# Altium PCB PCB.PcbDoc (part 1 of 3)
Units mil, origin at the board's own origin, x right, y up, seen from the top; angles counter-clockwise.
Board outline 13351.32 x 5672.75 mil, 2 copper layers (Top Layer, Bottom Layer); 207 components, 228 nets, 1294 pads, 403 vias.
Unrouted connection lines stored in the file: 75.
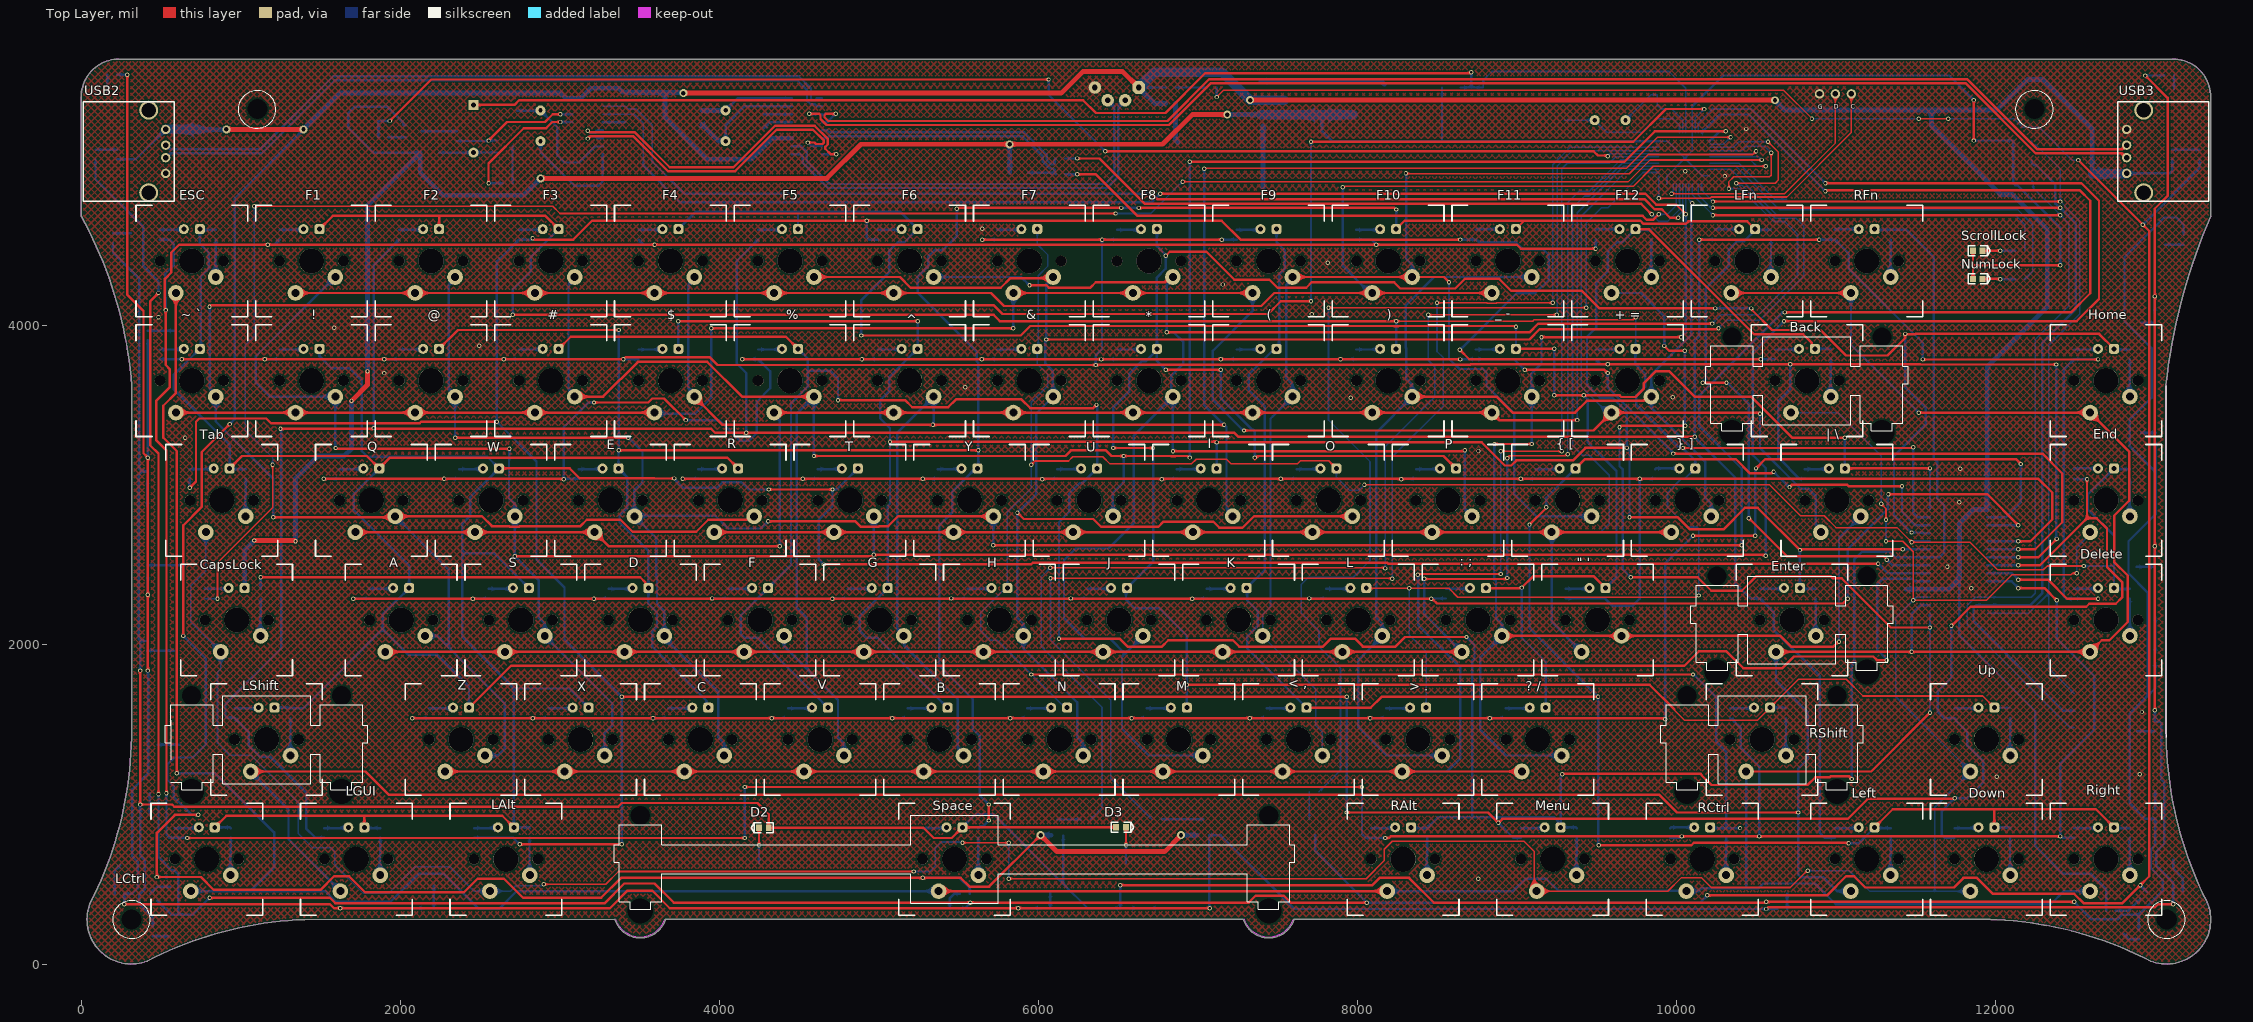
[diagram p0: Top Layer view]
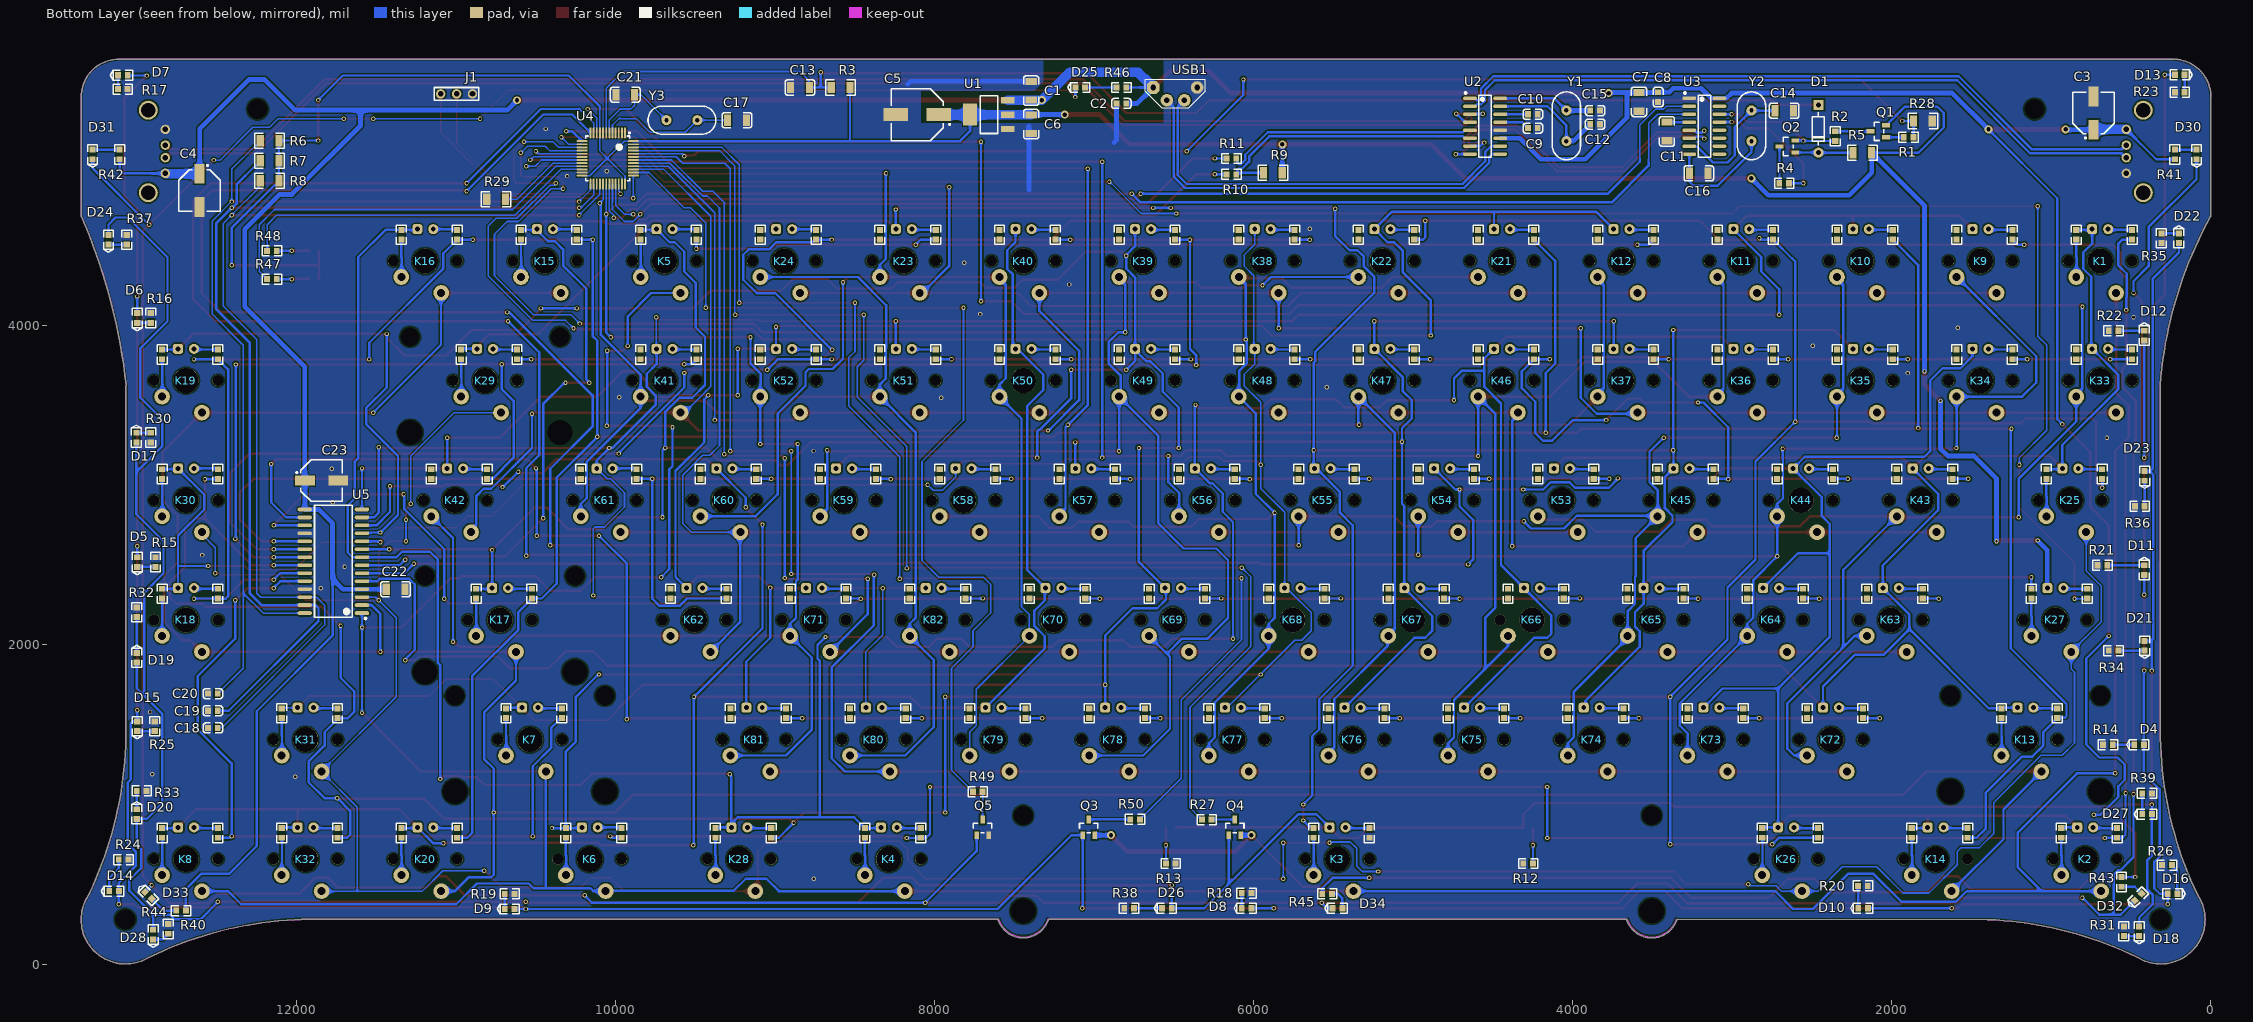
[diagram p1: Bottom Layer view, seen from below]

## Layer stack, top to bottom
Top Solder: solder mask 0.4, Solder Resist, Dk 3.5
Top Layer: signal copper 1.4
Dielectric 1: dielectric 12.6, FR-4, Dk 4.8
Bottom Layer: signal copper 1.4
Bottom Solder: solder mask 0.4, Solder Resist, Dk 3.5

## Board outline
415.74,18.7 ccw(c415.65,18.95) 415.76,18.71 ccw(c415.65,18.95) 415.77,18.72 cw(c1491.98,-2061.36) 1400.58,278.85 3346.4,279.33 ccw(c3351.36,280.04) 3346.6,278.49 ccw(c3505,330) 3662.92,277.01 ccw(c3658.16,278.61) 3663.18,278.61 ccw(c3658.16,278.61) 3663.11,279.41 7286.36,280.29 ccw(c7291.36,280.04) 7286.6,278.49 ccw(c7445,330) 7602.92,277.01 ccw(c7598.16,278.61) 7603.18,278.61 ccw(c7598.16,278.61) 7602.86,280.37 11968.74,281.44 12008.1,278.82 ccw(c12008.12,279.09) 12008.11,278.82 12008.1,278.82 12008.11,278.82 ccw(c12008.12,279.09) 12008.11,278.82 cw(c11888.37,-2081.06) 12972.1,18.68 ccw(c12972.23,18.91) 12972.14,18.66 cw(c13072.47,278.82) 12972.13,18.67 12972.14,18.66 ccw(c13072.47,278.82) 13351.31,278.82 ccw(c13072.47,278.82) 13304.58,433.34 cw(c15447.78,1460.75) 13071.38,1420.53 ccw(c13071.12,1420.53) 13071.28,1420.73 ccw(c13068.95,1422.69) 13072,1422.69 13072,3625.25 ccw(c13068.95,3625.25) 13069.54,3628.24 cw(c16661.68,3242) 13350.88,4688.13 ccw(c13350.64,4688.24) 13350.89,4688.14 ccw(c13350.64,4688.24) 13350.91,4688.24 13350.91,5436.27 ccw(c13114.37,5436.25) 13118.25,5672.76 ccw(c13114.37,5436.25) 13110.48,5672.76 236.47,5672.76 ccw(c236.47,5436.27) -0.01,5436.27 ccw(c0.25,5436.27) -0.01,5436.27 -0.01,4688.24 ccw(c0.25,4688.24) 0.02,4688.11 0.01,4688.12 ccw(c0.25,4688.24) 0.02,4688.11 cw(c-2259.25,3433.87) 317.72,3625.24 315.73,1420.53 cw(c-2044.12,1455.24) 83.3,433.38 ccw(c315.4,278.86)

## Design rules (kind name [scope] priority, off if disabled: settings)
Clearance [All] p1: gap=10 ignorepadtopadclearanceinfootprint=TRUE except(0: Arc-Hole Track-Hole SMDPad-Hole THPad-Hole Via-Hole Fill-Hole Poly-Hole Region-Hole Text-Hole)
DiffPairsRouting [All] p1: maxlimit=10 minlimit=10 mostfreqgap=10 toplayer_minwidth=15 toplayer_maxwidth=15 toplayer_prefwidth=15 bottomlayer_minwidth=15 bottomlayer_maxwidth=15 bottomlayer_prefwidth=15 maxuncoupledlength=500
PlaneConnect [All] p1: planeconnectstyle=Direct reliefexpansion=20 reliefentries=4 reliefconductorwidth=10 reliefairgap=10
PolygonConnect [All] p1: connectstyle=Direct reliefconductorwidth=10 reliefentries=4 polygonreliefangle="90 Angle" airgapwidth=10
RoomDefinition Main [InComponentClass('Main')] p1: confinementstyle=ConfineOut formatcopy=TRUE lockcomponents=FALSE outline 18065,5755 18610,5755 18610,6600 18065,6600
RoomDefinition Keys [InComponentClass('Keys')] p2: confinementstyle=ConfineOut formatcopy=TRUE lockcomponents=FALSE outline 13395,60 13455,60 13455,615 13395,615
RoutingVias [All] p1: holewidth=15 width=27 viastyle="Through Hole" minholewidth=15 minwidth=27 maxholewidth=28 maxwidth=50
SolderMaskExpansion [All] p1: expansion=4
UnRoutedNet [All] p1: checkbadconnections=TRUE
Width [All] p1: maxlimit=60 minlimit=8 preferedwidth=10
27 further rules are at their usual default settings.

## Classes and differential pairs
component class Main: C1 C2 C3 C4 C5 C6 C7 C8 C9 C10 C11 C12 C13 C14 C15 C16 C17 C18 C19 C20 C21 C22 C23 D1 D25 D30 D31 D32 D33 D34 J1 NumLock Q1 Q2 Q5 R1 R2 R3 R4 R5 R6 R7 R8 R9 R10 R11 R28 R29 R41 R42 R43 R44 R45 R46 R47 R48 R49 ScrollLock U1 U2 U3 U4 U5 USB1 USB2 USB3 Y1 Y2 Y3
component class Keys: D2 D3 D4 D5 D6 D7 D8 D9 D10 D11 D12 D13 D14 D15 D16 D17 D18 D19 D20 D21 D22 D23 D24 D26 D27 D28 K1 K2 K3 K4 K5 K6 K7 K8 K9 K10 K11 K12 K13 K14 K15 K16 K17 K18 K19 K20 K21 K22 K23 K24 K25 K26 K27 K28 K29 K30 K31 K32 K33 K34 K35 K36 K37 K38 K39 K40 K41 K42 K43 K44 K45 K46 K47 K48 K49 K50 K51 K52 K53 K54 K55 K56 K57 K58 K59 K60 K61 K62 K63 K64 K65 K66 K67 K68 K69 K70 K71 K72 K73 K74 K75 K76 K77 K78 K79 K80 K81 K82 Q3 Q4 R12 R13 R14 R15 R16 R17 R18 R19 R20 R21 R22 R23 R24 R25 R26 R27 R30 R31 R32 R33 R34 R35 R36 R37 R38 R39 R40 R50
differential pair USBD: +USBD_P -USBD_N
differential pair KEYBOARD: +KEYBOARD_P -KEYBOARD_N
differential pair HUB2D: +HUB2D_P -HUB2D_N
differential pair HUB1D: +HUB1D_P -HUB1D_N
differential pair CH340D: +CH340D_P -CH340D_N

## Components (designator, comment, footprint, x,y, rotation, side; value= is the part's Value field where it differs from the comment)
C1 "100nF" LC-1206_C 7395.79,5475 r270 bottom value=22pF
C2 "10uF" LC-0603_C 6830,5395 r0 bottom value=22pF
C3 "100uF 16V" "贴片电解 6.3*5.4" 735,5335 r90 bottom value=100pF
C4 "100uF 16V" "贴片电解 6.3*5.4" 12610,4850 r270 bottom value=100pF
C5 "220uF" "贴片电解 8*10.2" 8110,5325 r0 bottom value=100pF
C6 "100nF" LC-1206_C 7395.79,5265 r270 bottom value=22pF
C7 "100nF" LC-1206_C 3585,5405 r90 bottom value=22pF
C8 "10uF" LC-0603_C 3465,5435 r270 bottom value=22pF
C9 "10uF" LC-0603_C 4250,5240 r180 bottom value=22pF
C10 "10uF" LC-0603_C 4250,5327.03 r180 bottom value=22pF
C11 "100nF" LC-1206_C 3410,5220 r270 bottom value=22pF
C12 "不焊" LC-0603_C 3860,5265 r180 bottom value=22pF
C13 "100nF" LC-1206_C 8845,5495 r180 bottom value=22pF
C14 "22pF" LC-1206_C 2675,5350 r180 bottom
C15 "不焊" LC-0603_C 3860,5350 r180 bottom value=22pF
C16 "22pF" LC-1206_C 3210,4956.57 r180 bottom
C17 "22pF" LC-1206_C 9240,5290 r0 bottom
C18 "100pF" LC-0603_C 12525,1480 r180 bottom value=22pF
C19 "100pF" LC-0603_C 12525,1587.5 r180 bottom value=22pF
C20 "100pF" LC-0603_C 12525,1695 r180 bottom value=22pF
C21 "22pF" LC-1206_C 9940,5450 r180 bottom
C22 "100nF" LC-1206_C 11380,2350 r180 bottom value=22pF
C23 "100uF" "贴片电解 6.3*5.4" 11843.95,3030 r180 bottom value=100pF
D1 "1N4148" LC-DO-35 2460,5236.22 r90 bottom
D2 "LED" LC-0603_LED_S3 4280,854.38 r0 top
D3 "LED" LC-0603_LED_S3 6518.95,857.42 r180 top
D4 "LED" LC-0603_LED_S3 450,1375 r180 bottom
D5 "LED" LC-0603_LED_S3 13000,2520 r90 bottom
D6 "LED" LC-0603_LED_S3 13000,4050 r90 bottom
D7 "LED" LC-0603_LED_S3 13089.68,5571.97 r180 bottom
D8 "LED" LC-0603_LED_S3 6045,350 r180 bottom
D9 "LED" LC-0603_LED_S3 10665,345 r180 bottom
D10 "LED" LC-0603_LED_S3 2180,350 r180 bottom
D11 "LED" LC-0603_LED_S3 418.03,2470 r270 bottom
D12 "LED" LC-0603_LED_S3 418.03,3940 r270 bottom
D13 "LED" LC-0603_LED_S3 195,5575 r0 bottom
D14 "LED" LC-0603_LED_S3 13145,456.96 r180 bottom
D15 "LED" LC-0603_LED_S3 13000,1490.32 r90 bottom
D16 "LED" LC-0603_LED_S3 240,440.74 r0 bottom
D17 "LED" LC-0603_LED_S3 13005,3300 r270 bottom
D18 "LED" LC-0603_LED_S3 450,205 r90 bottom
D19 "LED" LC-0603_LED_S3 13003.03,1920 r270 bottom
D20 "LED" LC-0603_LED_S3 13003.03,940 r270 bottom
D21 "LED" LC-0603_LED_S3 415,1995 r90 bottom
D22 "LED" LC-0603_LED_S3 200,4550 r270 bottom
D23 "LED" LC-0603_LED_S3 415,3060 r90 bottom
D24 "LED" LC-0603_LED_S3 13180,4540 r90 bottom
D25 "LED" LC-0603_LED_S3 7088.35,5495 r180 bottom
D26 "LED" LC-0603_LED_S3 6545,350 r180 bottom
D27 "LED" LC-0603_LED_S3 400,940 r180 bottom
D28 "LED" LC-0603_LED_S3 12900,185 r90 bottom
D30 "LED" LC-0603_LED_S3 90,5075 r90 bottom
D31 "LED" LC-0603_LED_S3 13280,5075 r90 bottom
D32 "LED" LC-0603_LED_S3 455,420 r135 bottom
D33 "LED" LC-0603_LED_S3 12930,430 r225 bottom
D34 "LED" LC-0603_LED_S3 5475.13,350 r180 bottom
J1 "J-Link" IDE3 10997.65,5455 r0 bottom
K1 "ESC" Key 693.94,4406.94 r0 top
K2 "LCtrl" Key 787.69,656.96 r0 top
K3 "Space" Key 5475.13,656.96 r0 top
K4 "RAlt" Key 8287.69,656.96 r0 top
K5 "F12" Key 9693.95,4406.94 r0 top
K6 "RCtrl" Key 10162.69,656.96 r0 top
K7 "RShift" Key 10537.65,1406.95 r0 top
K8 "Right" Key 12693.95,656.96 r0 top
K9 "F1" Key 1443.94,4406.94 r0 top
K10 "F2" Key 2193.94,4406.94 r0 top
K11 "F3" Key 2943.94,4406.94 r0 top
K12 "F4" Key 3693.94,4406.94 r0 top
K13 "LShift" Key 1162.69,1406.95 r0 top
K14 "LGUI" Key 1725.19,656.96 r0 top
K15 "LFn" Key 10443.95,4406.94 r0 top
K16 "RFn" Key 11193.95,4406.94 r0 top
K17 "Enter" Key 10725.17,2156.95 r0 top
K18 "Delete" Key 12693.95,2156.95 r0 top
K19 "Home" Key 12693.95,3656.95 r0 top
K20 "Left" Key 11193.95,656.96 r0 top
K21 "F5" Key 4443.88,4406.94 r0 top
K22 "F6" Key 5193.87,4406.94 r0 top
K23 "F10" Key 8193.95,4406.94 r0 top
K24 "F11" Key 8943.95,4406.94 r0 top
K25 "Tab" Key 881.44,2906.95 r0 top
K26 "LAlt" Key 2662.69,656.96 r0 top
K27 "CapsLock" Key 975.19,2156.95 r0 top
K28 "Menu" Key 9225.17,656.96 r0 top
K29 "Back" Key 10818.95,3656.95 r0 top
K30 "End" Key 12693.95,2906.95 r0 top
K31 "Up" Key 11943.95,1406.95 r0 top
K32 "Down" Key 11943.95,656.96 r0 top
K33 "~ `" Key 693.94,3656.95 r0 top
K34 "!" Key 1443.94,3656.95 r0 top
K35 "@" Key 2193.94,3656.95 r0 top
K36 "#" Key 2943.94,3656.95 r0 top
K37 "$" Key 3693.94,3656.95 r0 top
K38 "F7" Key 5943.95,4406.94 r0 top
K39 "F8" Key 6693.95,4406.94 r0 top
K40 "F9" Key 7443.95,4406.94 r0 top
K41 "+ =" Key 9693.95,3656.95 r0 top
K42 "| \" Key 11006.43,2906.95 r0 top
K43 "Q" Key 1818.94,2906.95 r0 top
K44 "W" Key 2568.94,2906.95 r0 top
K45 "E" Key 3318.94,2906.95 r0 top
K46 "%" Key 4443.88,3656.95 r0 top
K47 "^" Key 5193.87,3656.95 r0 top
K48 "&" Key 5943.95,3656.95 r0 top
K49 "*" Key 6693.95,3656.95 r0 top
K50 "(" Key 7443.95,3656.95 r0 top
K51 ")" Key 8193.95,3656.95 r0 top
K52 "_ -" Key 8943.95,3656.95 r0 top
K53 "R" Key 4068.94,2906.95 r0 top
K54 "T" Key 4818.95,2906.95 r0 top
K55 "Y" Key 5568.95,2906.95 r0 top
K56 "U" Key 6318.95,2906.95 r0 top
K57 "I" Key 7068.95,2906.95 r0 top
K58 "O" Key 7818.95,2906.95 r0 top
K59 "P" Key 8568.95,2906.95 r0 top
K60 "{ [" Key 9318.95,2906.95 r0 top
K61 "} ]" Key 10068.95,2906.95 r0 top
K62 "\" '" Key 9506.43,2156.95 r0 top
K63 "A" Key 2006.44,2156.95 r0 top
K64 "S" Key 2756.44,2156.95 r0 top
K65 "D" Key 3506.44,2156.95 r0 top
K66 "F" Key 4256.44,2156.95 r0 top
K67 "G" Key 5006.43,2156.95 r0 top
K68 "H" Key 5756.43,2156.95 r0 top
K69 "J" Key 6506.43,2156.95 r0 top
K70 "K" Key 7256.43,2156.95 r0 top
K71 ": ;" Key 8756.43,2156.95 r0 top
K72 "Z" Key 2381.44,1406.95 r0 top
K73 "X" Key 3131.44,1406.95 r0 top
K74 "C" Key 3881.44,1406.95 r0 top
K75 "V" Key 4631.44,1406.95 r0 top
K76 "B" Key 5381.43,1406.95 r0 top
K77 "N" Key 6131.43,1406.95 r0 top
K78 "M" Key 6881.43,1406.95 r0 top
K79 "< ," Key 7631.43,1406.95 r0 top
K80 "> ." Key 8381.43,1406.95 r0 top
K81 "? /" Key 9131.43,1406.95 r0 top
K82 "L" Key 8006.43,2156.95 r0 top
NumLock "LED" LC-0603_LED_S3 11890.32,4295 r180 top
Q1 "PNP" LC-SOT-23(SOT-23-3) 2085,5220.31 r180 bottom
Q2 "NPN" LC-SOT-23(SOT-23-3) 2655,5125 r180 bottom
Q3 "PNP" LC-SOT-23(SOT-23-3) 7035,856.96 r270 bottom
Q4 "PNP" LC-SOT-23(SOT-23-3) 6118.95,856.96 r270 bottom
Q5 "NPN" LC-SOT-23(SOT-23-3) 7700,856.96 r270 bottom
R1 "1K" LC-0603_R 1895,5182.91 r180 bottom value=150R
R2 "1K" LC-0603_R 2355,5190 r270 bottom value=150R
R3 "10K" LC-1206_R 8590,5495 r180 bottom value=150R
R4 "1K" LC-0603_R 2675,4895 r180 bottom value=150R
R5 "10K" LC-1206_R 2185,5086.22 r0 bottom value=150R
R6 "10K" LC-1206_R 12170,5161.34 r180 bottom value=150R
R7 "10K" LC-1206_R 12170,5035.67 r180 bottom value=150R
R8 "10K" LC-1206_R 12170,4910 r180 bottom value=150R
R9 "1.5K" LC-1206_R 5880,4960 r180 bottom value=150R
R10 "20R" LC-0603_R 6140,4950 r180 bottom value=150R
R11 "20R" LC-0603_R 6140,5050 r180 bottom value=150R
R12 "510R" LC-0603_R 4280,630 r0 bottom value=150R
R13 "510R" LC-0603_R 6520,630 r180 bottom value=150R
R14 "510R" LC-0603_R 645,1375 r0 bottom value=150R
R15 "510R" LC-0603_R 12885,2520 r90 bottom value=150R
R16 "510R" LC-0603_R 12915,4050 r90 bottom value=150R
R17 "510R" LC-0603_R 13090,5485 r180 bottom value=150R
R18 "510R" LC-0603_R 6045,445 r180 bottom value=150R
R19 "510R" LC-0603_R 10665,440 r180 bottom value=150R
R20 "510R" LC-0603_R 2181.44,490 r180 bottom value=150R
R21 "510R" LC-0603_R 680,2500 r0 bottom value=150R
R22 "510R" LC-0603_R 610,3970 r0 bottom value=150R
R23 "510R" LC-0603_R 195,5465 r0 bottom value=150R
R24 "510R" LC-0603_R 13085,655 r180 bottom value=150R
R25 "510R" LC-0603_R 12890,1490.32 r90 bottom value=150R
R26 "510R" LC-0603_R 275,620 r0 bottom value=150R
R27 "1K" LC-0603_R 6295,905 r180 bottom value=150R
R28 "10K" LC-1206_R 1805,5285 r0 bottom value=150R
R29 "10K" LC-1206_R 10750,4795 r180 bottom value=150R
R30 "510R" LC-0603_R 12915,3300 r270 bottom value=150R
R31 "510R" LC-0603_R 545,205 r90 bottom value=150R
R32 "510R" LC-0603_R 13003.03,2205 r90 bottom value=150R
R33 "510R" LC-0603_R 12971.93,1085 r180 bottom value=150R
R34 "510R" LC-0603_R 610,1964.68 r0 bottom value=150R
R35 "510R" LC-0603_R 310,4550 r270 bottom value=150R
R36 "510R" LC-0603_R 446.1,2870 r0 bottom value=150R
R37 "510R" LC-0603_R 13065,4540 r90 bottom value=150R
R38 "510R" LC-0603_R 6781.43,350 r0 bottom value=150R
R39 "510R" LC-0603_R 400,1070 r180 bottom value=150R
R40 "510R" LC-0603_R 12805,220 r90 bottom value=150R
R41 "510R" LC-0603_R 225.35,5075 r270 bottom value=150R
R42 "510R" LC-0603_R 13110,5075 r270 bottom value=150R
R43 "510R" LC-0603_R 560,515 r90 bottom value=150R
R44 "510R" LC-0603_R 12725,335 r180 bottom value=150R
R45 "510R" LC-0603_R 5540,440 r0 bottom value=150R
R46 "510R" LC-0603_R 6830,5495 r180 bottom value=150R
R47 "510R" LC-0603_R 12155,4293.48 r0 bottom value=150R
R48 "510R" LC-0603_R 12155,4470.43 r0 bottom value=150R
R49 "1K" LC-0603_R 7730,1080 r180 bottom value=150R
R50 "1K" LC-0603_R 6743.95,906.49 r0 bottom value=150R
ScrollLock "LED" LC-0603_LED_S3 11890.32,4471.94 r180 top
U1 "AMS1117-3.3" LC-SOT-223 7660,5325 r180 bottom
U2 "usb集线器" LC-SOP-16_150mil 4550,5252.03 r270 bottom
U3 "CH340G" LC-SOP-16_150mil 3175,5252.03 r270 bottom
U4 "MCU" lqfp48 9941.58,5210.87 r0 bottom
U5 "AIP1638" LC-SOP-28_300mil 11770,2525 r90 bottom
USB1 "Type-A" USB 6490,5390 r180 bottom
USB2 "Type-A" "USB A型" 530,5094.37 r270 top
USB3 "Type-A" "USB A型" 12823.31,5094.37 r90 top
Y1 "8MHz" LC-HC-49S 4040,5255 r90 bottom
Y2 "8MHz" LC-HC-49S 2880,5255 r90 bottom
Y3 "8MHz" LC-HC-49S 9585,5290 r0 bottom

## Footprints (in the part's own frame and the unit in brackets; to place one, negate y for a bottom-side part, rotate by r counter-clockwise, add the part's x,y. Pads: shape width x height; smd on the part's side, far side on the other; paste and mask are expansions set on the pad)
IDE3 [mm]
  round 1.5 hole 0.9: 1(-2.54,0) 2(0,0) 3(2.54,0)
  silkscreen extent -3.56,-1.02 3.56,1.02
Key [mm]
  rrect50% 1.6x1.6 hole 0.787: 1(1.27,5.08)
  rect 0.98x0.93 smd far side: 2(-5.08,3.421) 3(3.81,4.961) 6(3.81,3.421) 7(-5.08,4.961)
  round 2.5 hole 1.27: 4(-2.54,-5.08) 5(3.81,-2.54)
  round 1.6 hole 0.787: 8(-1.27,5.08)
  round 1.7 hole 1.753: ""(-5.08,0) ""(5.08,0)
  round 4 hole 4.013: ""(0,0)
  silkscreen extent -8.89,-8.89 8.89,8.89, body extent -7.8,-7.73 7.8,7.87, height 15.47
LC-0603_C [mm]
  rect 0.93x0.98 smd: 1(-0.77,0) 2(0.77,0)
  silkscreen extent -1.53,-0.79 1.54,0.79, body extent -0.8,-0.4 0.8,0.4, height 0.3
LC-0603_LED_S3 [mm]
  rect 0.93x0.98 smd: A(0.77,0) K(-0.77,0)
  silkscreen extent -2,-0.79 1.53,0.79, body extent -0.8,-0.4 0.8,0.4, height 0.6
LC-0603_R [mm]
  rect 0.93x0.98 smd: 1(-0.77,0) 2(0.77,0)
  silkscreen extent -1.53,-0.79 1.54,0.79, body extent -0.85,-0.4 0.85,0.4, height 0.56
LC-1206_C [mm]
  rect 1.13x1.8 smd: 1(-1.49,0) 2(1.49,0)
  silkscreen extent -2.36,-1.2 2.35,1.2, body extent -1.6,-0.81 1.6,0.79, height 1
LC-1206_R [mm]
  rect 1.13x1.8 smd: 1(-1.49,0) 2(1.49,0)
  silkscreen extent -2.36,-1.2 2.35,1.2, body extent -1.7,-0.86 1.65,0.87, height 0.85
LC-DO-35 [mm]
  rect 1.6x1.6 hole 0.8: 1(3.81,0)
  round 1.6 hole 0.8: 2(-3.81,0)
  silkscreen extent -2.6,-0.95 2.6,0.95, body extent -4.1,-0.89 4.07,0.91, height 1.92
LC-HC-49S [mm]
  round 1.6 hole 0.7: 1(-2.45,0) 2(2.45,0)
  silkscreen extent -5.39,-2.25 5.39,2.25, body extent -5.39,-2.27 5.41,2.23, height 3.6
LC-SOP-16_150mil [mm]
  oval 0.6x2.2 smd: 1(-4.445,-2.4) 2(-3.175,-2.4) 3(-1.905,-2.4) 4(-0.635,-2.4) 5(0.635,-2.4) 6(1.905,-2.4) 7(3.175,-2.4) 8(4.445,-2.4) 9(4.445,2.4) 10(3.175,2.4) 11(1.905,2.4) 12(0.635,2.4) 13(-0.635,2.4) 14(-1.905,2.4) 15(-3.175,2.4) 16(-4.445,2.4)
  silkscreen extent -5.45,-3.25 4.9,1
LC-SOP-28_300mil [mm]
  oval 0.6x2.3 smd: 1(-8.255,-4.55) 2(-6.985,-4.55) 3(-5.715,-4.55) 4(-4.445,-4.55) 5(-3.175,-4.55) 6(-1.905,-4.55) 7(-0.635,-4.55) 8(0.635,-4.55) 9(1.905,-4.55) 10(3.175,-4.55) 11(4.445,-4.55) 12(5.715,-4.55) 13(6.985,-4.55) 14(8.255,-4.55) 15(8.255,4.55) 16(6.985,4.55) 17(5.715,4.55) 18(4.445,4.55) 19(3.175,4.55) 20(1.905,4.55) 21(0.635,4.55) 22(-0.635,4.55) 23(-1.905,4.55) 24(-3.175,4.55) 25(-4.445,4.55) 26(-5.715,4.55) 27(-6.985,4.55) 28(-8.255,4.55)
  silkscreen extent -9.25,-5.25 8.9,3, body extent -9.05,-3.8 9.05,3.8, height 2.5
LC-SOT-23(SOT-23-3) [mm]
  rect 1.25x0.7 smd: 1(1.25,-0.95) 2(-1.25,0) 3(1.25,0.95)
  silkscreen extent -0.65,-1.46 0.9,1.46, body extent -1.5,-1.5 1.5,1.5, height 1.3
LC-SOT-223 [mm]
  rect 2.2x1 smd: 1(3,-2.3) 2(3,0) 3(3,2.3)
  rect 2.2x3.5 smd: 2(-3,0)
  silkscreen extent -1.4,-3 1.4,3, body extent -3.49,-3.24 3.49,3.24, height 1.64
lqfp48 [mm]
  oval 0.3x1.75 smd: 1(0,0) 2(0.5,0) 3(1,0) 4(1.5,0) 5(2,0) 6(2.5,0) 7(3,0) 8(3.5,0) 9(4,0) 10(4.5,0) 11(5,0) 12(5.5,0) 25(5.5,8.15) 26(5,8.15) 27(4.5,8.15) 28(4,8.15) 29(3.5,8.15) 30(3,8.15) 31(2.5,8.15) 32(2,8.15) 33(1.5,8.15) 34(1,8.15) 35(0.5,8.15) 36(0,8.15)
  oval 1.75x0.3 smd: 13(6.825,1.325) 14(6.825,1.825) 15(6.825,2.325) 16(6.825,2.825) 17(6.825,3.325) 18(6.825,3.825) 19(6.825,4.325) 20(6.825,4.825) 21(6.825,5.325) 22(6.825,5.825) 23(6.825,6.325) 24(6.825,6.825) 37(-1.325,6.825) 38(-1.325,6.325) 39(-1.325,5.825) 40(-1.325,5.325) 41(-1.325,4.825) 42(-1.325,4.325) 43(-1.325,3.825) 44(-1.325,3.325) 45(-1.325,2.825) 46(-1.325,2.325) 47(-1.325,1.825) 48(-1.325,1.325)
  silkscreen extent -0.82,-0.12 6.26,7.62, body extent -0.75,0.58 6.25,7.57, height 1.6
USB [mm] "0.9mm焊盘 x 4"
  oct 2x2 hole 0.9: 1(-3.556,2.667)
  round 2 hole 0.9: 2(-1.397,0.635) 3(1.397,0.635) 4(3.429,2.667)
  silkscreen extent -4.83,-0.64 4.7,3.94
"USB A型" [mm]
  round 1.5 hole 0.9: 1(-3.5,0) 2(-1,0) 3(1,0) 4(3.5,0)
  round 3 hole 2.3: 5(-6.57,-2.71) 5(6.57,-2.71)
  silkscreen extent -7.9,-13.1 7.9,1.4, body extent -7.9,-13.1 7.9,1.4, height 7
"贴片电解 6.3*5.4" [mm] "贴片电解 6.3*5.4"
  rect 3.15x1.6 smd: 1(-2.65,0) 2(2.65,0)
  silkscreen extent -4.07,-3.3 3.3,3.3, body extent -3.5,-3.3 3.5,3.3, height 5.4
"贴片电解 8*10.2" [mm]
  rect 3.9x2.05 smd: 1(-3.45,0) 2(3.45,0)
  silkscreen extent -5.27,-4.15 4.15,4.15, body extent -3.5,-3.3 3.5,3.3, height 5.4

## Part data
C1 C2 C6 C7 C8 C9 C10 C11 C12 C13 C14 C15 C16 C17 C18 C19 C20 C21 C22: library part Capacitor, "Capacitor", LatestRevisionDate=17-Jul-2002, LatestRevisionNote="Re-released for DXP Platform.", PackageDescription="Radial Cap, Thru-Hole; 2 Leads; 0.3 in Pin Spacing", PackageReference=RAD-0.3, Published=8-Jun-2000, Publisher="Altium Limited"
C3 C4 C5 C23: library part "Cap Pol", "Polarized Capacitor (Axial)", LatestRevisionDate=17-Jul-2002, LatestRevisionNote="Re-released for DXP Platform.", PackageDescription="Polarized Capacitor; 2 Leads", PackageReference=POLAR0.8, Published=8-Jun-2000, Publisher="Altium Limited"
D1: library part "DO-214AC 肖特基"
D2 D3 D4 D5 D6 D7 D8 D9 D10 D11 D12 D13 D14 D15 D16 D17 D18 D19 D20 D21 D22 D23 D24 D25 D26 D27 D28 D30 D31 D32 D33 D34 NumLock ScrollLock: "Typical INFRARED GaAs LED", LatestRevisionDate=08-Jul-2005, LatestRevisionNote="Mech Layer 1 removed.", PackageDescription="LED; 2 Leads", PackageReference=LED-0, Published=8-Jun-2000, Publisher="Altium Limited"
K1 K2 K3 K4 K5 K6 K7 K8 K9 K10 K11 K12 K13 K14 K15 K16 K17 K18 K19 K20 K21 K22 K23 K24 K25 K26 K27 K28 K29 K30 K31 K32 K33 K34 K35 K36 K37 K38 K39 K40 K41 K42 K43 K44 K45 K46 K47 K48 K49 K50 K51 K52 K53 K54 K55 K56 K57 K58 K59 K60 K61 K62 K63 K64 K65 K66 K67 K68 K69 K70 K71 K72 K73 K74 K75 K76 K77 K78 K79 K80 K81 K82: library part Key, "510R"
Q1 Q3 Q4: "PNP Bipolar Transistor", LatestRevisionDate=29-May-2009, LatestRevisionNote="IPC-7351 Footprint Added.", PackageDescription="3-Pin SOT-23 Package 0.95 mm Pitch, 2.4 mm Lead Span", PackageReference=SOT-23B, PackageVersion=Aug-1999, Published=8-Jun-2000, Publisher="Altium Limited"
Q2 Q5: "NPN Bipolar Transistor", Code_JEDEC=TO-226-AA, LatestRevisionDate=17-Jul-2002, LatestRevisionNote="Re-released for DXP Platform.", PackageDescription="TO, Flat Index; 3 In-Line, Axial Leads; Body Dia. 4.8mm; Leads 0.55 x 0.51 mm (max)", PackageReference=TO-226-AA, Published=8-Jun-2000, Publisher="Altium Limited"
R1 R2 R3 R4 R5 R6 R7 R8 R9 R10 R11 R12 R13 R14 R15 R16 R17 R18 R19 R20 R21 R22 R23 R24 R25 R26 R27 R28 R29 R30 R31 R32 R33 R34 R35 R36 R37 R38 R39 R40 R41 R42 R43 R44 R45 R46 R47 R48 R49 R50: library part Resistor, "Resistor", LatestRevisionDate=17-Jul-2002, LatestRevisionNote="Re-released for DXP Platform.", PackageDescription="Axial Device, Thru-Hole; 2 Leads; 0.3 in Pin Spacing", PackageReference=AXIAL-0.3, Published=8-Jun-2000, Publisher="Altium Limited"
U1: library part AMS1117
U2: library part SL2.1A
U3: library part CH340
U4: library part STM32F103C8T6
USB1 USB2 USB3: library part USB-A
Y1 Y2 Y3: library part XTAL, "Crystal Oscillator", LatestRevisionDate=17-Jul-2002, LatestRevisionNote="Re-released for DXP Platform.", PackageDescription="Crystal, Thru-Hole; 2 Leads; Body 3.1 x 8.2 mm (Dia.xH)", PackageReference=R38, Published=8-Jun-2000, Publisher="Altium Limited"

## Free pads (board coordinates)
  round 0 hole 125.98: 0(315,280) 0(1105,5360) 0(12245,5360) 0(13075,280)
  round 0 hole 120: 0(692.69,1681.96) 0(7445.13,931.96) 0(10067.65,1681.96) 0(10255.17,2431.96) 0(10348.95,3931.96) 3(1632.69,1681.96) 3(3505.13,931.96) 3(11007.65,1681.96) 3(11195.17,2431.96) 3(11288.95,3931.96)
  round 0 hole 157: 1(692.69,1081.96) 1(7445.13,331.96) 1(10067.65,1081.96) 1(10255.17,1831.96) 1(10348.95,3331.96) 4(1632.69,1081.96) 4(3505.13,331.96) 4(11007.65,1081.96) 4(11195.17,1831.96) 4(11288.95,3331.96)

## Via types
v1: diameter 27, hole 15, Top Layer to Bottom Layer, tented both sides, 230 vias
v2: diameter 27.56, hole 15.75, Top Layer to Bottom Layer, tented both sides, 163 vias
v3: diameter 50, hole 28, Top Layer to Bottom Layer, tented both sides, 10 vias

## Nets (pads, with @x,y where several pads share a name; then routed paths per layer and width w, separated by ;. In a path a pad name is that pad's centre, name@x,y a point inside that pad or via, vN(x,y) a via of type N, cw(c..) or ccw(c..) an arc to the next point about the centre after c; other vN are vias at no path point)
+5: C1.2 C2.1 C3.1 C4.1 C7.2 C8.1 C22.1 C23.1 Q3.3 Q4.3 R41.2 R42.2 R43.2 R44.2 R45.2 R46.2 U1.3 U2.11 U3.16 U5.4 U5.15 USB1.1 USB2.1 USB3.1 | length 35224.4
  Top Layer w15: v1(640,2056.96) 640,2750 755,2865 755,3208.56 v1(931.44,3385) ; v2(735,935) 588.04,935 475,821.96 v2(475,545.32) 751.12,545.32 831.44,465 1500,465 1585,550 1680,550 1780,450 2400,450 2485,535 2650,535 2770,415 3260,415 3385,540 v2(5275.13,540) 5513.95,540 5568.95,485 5692.25,485 v3(6015,807.75)
  Top Layer w30: v3(910,5232.17) v3(1393.94,5232.17) ; v3(3775,5460) 6145,5460 6280,5595 6530,5595 USB1.1@6630,5495 ; v3(6015,807.75) 6117.75,705 6792.25,705 v3(6895,807.75) ; v3(7328.66,5416.34) 10617.61,5416.34 v3(10618.95,5415)
  Bottom Layer w15: R41.2@225.35,5044.68 342.52,5044.68 USB2.1@530,5232.17 ; v2(475,545.32) R43.2@560,545.32 ; v1(640,2056.96) 781.44,1915.52 781.44,1376.44 700,1295 585,1295 540,1250 540,1155 580,1115 580,1048.94 693.94,935 v2(735,935) ; v1(931.44,3385) 962.69,3416.25 962.69,4800.92 v3(1393.94,5232.17) ; v2(5275.13,540) 5505,540 5570.32,474.68 R45.2@5570.32,440 ; Q4.3@6076.86,803.06 Q4.3@6081.55,807.75 ; USB1.1@6630,5495 R46.2@6799.68,5495 ; 11775,2415 11775,2060 12250,1585 12250,740 12425,565 12600,565 12694.68,470.32 R44.2@12694.68,335 ; USB3.1@12823.31,4956.57 13091.57,4956.57 13110,4975 R42.2@13110,5044.68
  Bottom Layer w26: C1.2@7395,5416.34 7395.79,5415.55 C1.2@7396.57,5415.55
  Bottom Layer w30: C3.1@735,5230.67 908.5,5230.67 v3(910,5232.17) ; v3(1393.94,5232.17) 1621.77,5460 3005,5460 3037.97,5427.03 U3.16@3080.51,5427.03 3133.37,5427.03 3196.34,5490 3370,5490 3394.69,5465.31 C8.1@3465,5465.31 3466.65,5463.66 C7.2@3585,5463.66 ; v3(3775,5460) 3771.34,5463.66 C7.2@3585,5463.66 ; U2.11@4455.51,5177.03 4332.03,5177.03 4200,5045 3922.66,5045 3660,5307.66 3660,5448.03 3645.34,5462.69 3585.97,5462.69 C7.2@3585,5463.66 ; v3(6015,807.75) Q4.3@6081.55,807.75 ; USB1.1@6630,5495 6730,5395 C2.1@6799.69,5395 ; v3(6895,807.75) Q3.3@6997.6,807.75 ; v3(10618.95,5415) 10680.92,5353.03 11600,5353.03 ; C22.1@11438.66,2350 U5.4@11590.87,2350 11710,2350 11775,2415 11775,2761.96 11863.04,2850 U5.15@11949.13,2850 ; U5.15@11948.28,2850.85 C23.1@11948.28,3030 11949.13,3030.85 11949.13,3745 12325,4120.87 12325,4605 12105,4825 12030,4825 11600,5255 11600,5353.03 ; C4.1@12610,4954.33 12607.76,4956.57 12607.76,5237.24 12300,5545 12200,5545 12008.03,5353.03 11600,5353.03
  Bottom Layer w60: USB2.1@530,5232.17 733.5,5232.17 C3.1@735,5230.67 ; USB1.1@6630,5495 6725,5590 7155,5590 v3(7328.66,5416.34) C1.2@7395,5416.34 ; C1.2@7395.79,5416.34 7396.57,5415.55 U1.3@7541.89,5415.55 ; C4.1@12610,4954.33 12821.06,4954.33 USB3.1@12823.31,4956.57
BOOT0: R1.2 R28.2 U4.44 | length 8497.2
  Top Layer w15: v2(1935,5285) 2195,5545 v1(6065,5545) ; v1(6420,5095) 9482.09,5095 9508.72,5068.37 9557.75,5068.37 9558.72,5067.4 9567.6,5067.4 v2(9570,5065)
  Bottom Layer w10: v2(9570,5065) 9584.96,5079.96 U4.44@9889.41,5079.96
  Bottom Layer w15: R1.2@1865.1,5183.33 R1.2@1864.68,5182.91 1863.66,5183.94 R28.2@1863.66,5285 v2(1935,5285) ; v1(6065,5545) 6065,5450 v1(6420,5095)
CH340D_N: U2.7 U3.6 | length 2039.3
  Top Layer w15: v2(3175,5175) 3177.57,5175 3182.74,5180.18 3182.74,5181.3 3191.53,5190.09 3459.56,5190.09 3679.64,4970 4100,4970 4360,5230 4588.03,5230 4656.17,5161.86 4656.17,5149.44 4647.38,5140.65 4607.56,5140.65 4598.21,5150 v2(4555,5150)
  Bottom Layer w15: v2(3175,5175) 3177.57,5175 3190.07,5187.5 3225.19,5187.5 3235.66,5177.03 U3.6@3269.49,5177.03 ; v2(4555,5150) 4558.4,5150 4579.72,5128.68 4642.84,5128.68 U2.7@4644.49,5127.03
CH340D_P: U2.8 U3.5 | length 2091.8
  Top Layer w15: v2(3175,5225) 3178.4,5225 3188.31,5215.09 3469.91,5215.09 3690,4995 4089.64,4995 4349.64,5255 4598.39,5255 4681.17,5172.22 4681.17,5139.08 4665.06,5122.97 4665.06,5110.55 4698.58,5077.03 v2(4735,5077.03)
  Bottom Layer w15: v2(3175,5225) 3177.57,5225 3190.07,5212.5 3222.87,5212.5 3237.39,5227.03 U3.5@3269.49,5227.03 ; U2.8@4644.49,5077.03 v2(4735,5077.03)
CLK: C19.2 R7.1 U4.26 U5.27 | length 6710.1
  Top Layer w15: v2(10230,4740) v2(12408,4740)
  Bottom Layer w10: U4.26@10138.43,4890 10138.43,4821.57 10216.64,4743.36 10226.64,4743.36 v2(10230,4740)
  Bottom Layer w15: R7.1@12228.66,5035.67 12228.66,5022.48 12243.41,5007.74 12256.59,5007.74 12376.72,4887.61 12376.72,4767.04 12401.36,4742.4 12405.6,4742.4 v2(12408,4740) 12505,4643 12505,4106.36 12295,3896.36 12295,2325 12220,2250 U5.27@11949.13,2250 11883.04,2250 11863.04,2230 11863.04,2150 12425.54,1587.5 C19.2@12494.68,1587.5
DIO: C18.2 R8.1 U4.28 U5.26 | length 6713
  Top Layer w15: v2(10230,4695) v2(12408,4695)
  Bottom Layer w10: U4.28@10099.06,4890 10099.06,4825.94 v2(10230,4695) ; R8.1@12228.66,4910 12237.58,4901.09 12237.58,4865.42 v2(12408,4695) 12460,4643 12460,4125 12250,3915 12250,2325 12225,2300 U5.26@11949.13,2300 11875,2300 11825,2250 11825,2125 12467.24,1482.76 12491.92,1482.76 C18.2@12494.68,1480
GND: C1.1 C2.2 C3.2 C4.2 C5.2 C6.2 C7.1 C8.2 C9.2 C10.2 C11.2 C12.2 C13.1 C14.2 C15.2 C16.2 C17.1 C18.1 C19.1 C20.1 C21.1 C22.2 C23.2 J1.1 K3.2 Q5.3 R12.2 R13.2 R14.2 R15.2 R16.2 R17.2 R18.2 R19.2 R20.2 R21.2 R22.2 R23.2 R24.2 R25.2 R26.2 R28.1 R29.1 R30.2 R31.2 R32.2 R33.2 R34.2 R35.2 R36.2 R37.2 R38.2 R39.2 R40.2 U1.1 U2.12 U3.1 U4.8 U4.23 U4.35 U4.47 U5.18 U5.25 USB1.4 USB2.4 USB3.4 | length 1435.7
  Bottom Layer w30: C2.2@6860.32,5395 6860.32,5166.69 6877.01,5150 ; C1.1@7395.79,5533.66 8151.9,5533.66 8170,5515.56 ; 7410,4852.4 7410,5254.45
  other v2: 8759.3,535 12007.89,1175 12905,1190 12919.29,1580 11848.53,2356.51 11700,2491.49 12593.11,2564.14 11775,2894.99 11779.32,3105 8760,3216.21 651.31,3300 7960,3550 9979.08,3552.01 5542.96,3615 1901.34,3705 2495,3876.77 1587.97,3990 485,4055.14 7715,4075 7156.44,4260 7815,4397.22 5648.06,4610 10305.22,4940 10055.59,4970 10437.65,5235
GR1: K1.2 K2.2 K4.2 K5.2 K6.2 K7.2 K8.2 K9.2 K12.2 K23.2 U5.24 | length 29272.1
  Top Layer w15: v2(535,1070) 535,3220 470,3285 470,3530 555,3615 555,3730 530,3755 v2(530,4100) 527.6,4102.4 527.6,4111.28 525,4113.88 525,4295 565,4335 565,4460 615,4510 v1(1170,4510) v1(3595,4510) 9000,4510 9025,4485 v1(9493.95,4485) ; v1(665,790) v1(4160,790) ; v1(4160,1110) v1(8030,1110) ; v1(8175,790) 8200,790 8210,800 v1(10035,800) v1(10520,800) v1(12408,800) ; v2(12145,2356.96) 12308.04,2356.96 v1(12385,2280)
  Bottom Layer w15: K1.2@493.94,4541.63 555,4541.63 579.37,4517.26 579.37,4380 527.22,4327.85 527.22,4179.31 530,4176.53 v2(530,4100) ; v2@535,1060 535,810 553.36,791.64 K2.2@587.69,791.64 663.36,791.64 v1(665,790) ; v1(1170,4510) 1212.31,4510 1232.15,4529.84 1232.15,4530.82 1242.95,4541.63 K9.2@1243.94,4541.63 ; K12.2@3493.94,4541.63 3494.92,4541.63 3505.73,4530.82 3505.73,4529.84 3525.57,4510 v1(3595,4510) ; v1(4160,790) v1(4160,1110) ; K23.2@7993.95,4541.63 8088.06,4541.63 v1(8120,4509.69) ; v1(8030,1110) 8030,815 8053.36,791.64 K4.2@8087.69,791.64 8089.34,790 v1(8175,790) ; v1(9493.95,4485) K5.2@9493.95,4541.63 ; K6.2@9962.69,791.64 10023.4,791.64 10031.75,800 v1(10035,800) ; K7.2@10337.65,1541.64 10348.46,1530.83 10354.17,1530.83 10405,1480 10405,1355 10520,1240 v1(10520,800) ; U5.24@11949.13,2400 12101.96,2400 v2(12145,2356.96) ; v1(12385,2280) 12385,2040 12620,1805 12620,1470 12408,1258 v1(12408,800) 12411.25,800 12419.6,791.64 K8.2@12493.95,791.64
GR2: K10.2 K13.2 K14.2 K15.2 K16.2 K17.2 K18.2 K19.2 K20.2 K21.2 U5.23 | length 24371.4
  Top Layer w15: v1(1250,3355) 1826.75,3355 1831.75,3360 v1(1835,3360) 1837.3,3357.7 1845.78,3357.7 1848.49,3355 3950,3355 3975,3330 v1(4170,3330) 7230,3330 7255,3305 v1(10115,3305) ; v2(10145,4541.63) v2(10895,4541.63) ; v2(11545,3790) v2(12643.95,3790) ; v2(12143.95,2410) 12330,2410 12450,2290 v2(12643.95,2290)
  Bottom Layer w15: v1(1250,3355) 1255,3350 1255,1980 905,1630 905,1553.79 913.79,1545 959.33,1545 K13.2@962.69,1541.64 963.67,1541.64 974.48,1530.83 974.48,1529.85 1050,1454.33 1050,1370 1120,1300 1185,1300 1410,1075 1410,850 1468.36,791.64 K14.2@1525.19,791.64 ; v1(1835,3360) 1835,4382.69 1982.15,4529.84 1982.15,4530.82 1992.95,4541.63 K10.2@1993.94,4541.63 ; v1(4170,3330) 4170,3705 4110,3765 4110,4407.74 4232.09,4529.84 4232.09,4530.82 4242.9,4541.63 K21.2@4243.88,4541.63 ; K15.2@10243.95,4541.63 v2(10145,4541.63) 10145,3937.31 10115,3907.31 v1(10115,3305) 10370,3050 10370,2385 10463.36,2291.64 K17.2@10525.17,2291.64 10526.16,2291.64 10536.96,2280.83 10536.96,2279.85 10610,2206.81 10610,2095 10900,1805 10900,821.65 10930,791.65 K20.2@10993.95,791.64 ; v2(10895,4541.63) K16.2@10993.95,4541.63 10994.94,4541.63 11005.74,4530.82 11005.74,4529.84 11080,4455.58 11080,4360 11545,3895 v2(11545,3790) ; U5.23@11949.13,2450 12103.95,2450 v2(12143.95,2410) ; v2(12643.95,2290) 12642.31,2291.64 K18.2@12493.95,2291.64 12492.31,2290 12445,2290 12430,2305 12430,3727.69 12482.16,3779.85 12482.16,3780.83 12492.97,3791.64 K19.2@12493.95,3791.64 12642.31,3791.64 v2(12643.95,3790)
GR3: K11.2 K22.2 K24.2 K25.2 K26.2 K28.2 K29.2 K30.2 K31.2 K32.2 U5.22 | length 31129.2
  Top Layer w15: v1(680,2985) 720,3025 720,3400 740,3420 1160,3420 1190,3390 1371.33,3390 1372.33,3391 1848.84,3391 1849.84,3390 1920,3390 1920.24,3390.24 2121.57,3390.24 2131.33,3400 v1(2605,3400) ; v1(2750,750) v1(3390,750) ; v1(2830,4550) 2833.25,4550 2841.62,4541.63 3085,4541.63 3203.37,4660 v1(4925,4660) 7150,4660 7268.37,4541.63 v1(8646.64,4541.63) ; v1(3390,1675) v1(7935,1675) ; v1(7935,950) 8820,950 v1(8885,885) 8910,910 11075,910 11200,1035 11731.51,1035 11734.22,1037.7 11742.7,1037.7 v1(11745,1040) ; v1(8643.36,3850) 8701.72,3791.64 v1(10530,3791.64) ; v1(11725,2120) 11845,2240 12570,2240 12588.72,2258.72 12754.93,2258.72 12795,2298.79 12795,2395 12700,2490 12700,2730 12635,2795 12575,2795 ; v2(12145,2500) 12280,2500 12575,2795 ; v2(12575,3040) 12575,2795
  Bottom Layer w15: v1(680,2985) 680,3040.2 K25.2@681.44,3041.64 ; K26.2@2462.69,791.64 2708.36,791.64 v1(2750,750) ; v1(2830,4550) 2826.75,4550 2818.38,4541.63 K11.2@2743.94,4541.63 2742.95,4541.63 2732.15,4530.82 2732.15,4529.84 2627.31,4425 2625,4425 2605,4405 v1(2605,3400) 2855,3150 2855,2535 3030,2360 3030,2035 v1(3390,1675) v1(3390,750) ; v1(4925,4660) 4925,4556.63 4940,4541.63 K22.2@4993.87,4541.63 ; v1(7935,950) v1(7935,1675) ; v1(8643.36,3850) 8998.36,4205 9115,4205 9200,4290 9200,4446.21 9166.21,4480 9040,4480 8995,4525 8761.56,4525 8744.94,4541.63 K24.2@8743.95,4541.63 v1(8646.64,4541.63) ; v1(8885,885) 8978.36,791.64 K28.2@9025.17,791.64 ; v1(10530,3791.64) K29.2@10618.95,3791.64 ; v1(11725,2120) 11725,1795 11640,1710 11640,1580 11678.36,1541.64 K31.2@11743.95,1541.64 11744.94,1541.64 11755.74,1530.83 11755.74,1522.02 11825,1452.76 11825,1369.13 11925,1269.13 11925,1140 11825,1040 v1(11745,1040) 11665,960 11665,810 11683.79,791.21 11696.21,791.21 11696.64,791.64 K32.2@11743.95,791.64 ; U5.22@11949.13,2500 v2(12145,2500) ; K30.2@12493.95,3041.64 12495.59,3040 v2(12575,3040)
GR4: K33.2 K34.2 K35.2 K36.2 K37.2 K38.2 K39.2 K40.2 K41.2 K42.2 U5.21 | length 17383.2
  Top Layer w15: v2(630,3791.64) v2(1150,3791.64) v2(1900,3791.64) v2(2650,3791.64) v2(3400,3791.64) 3401.71,3791.64 3415.07,3805 3940,3805 3990,3755 v1(6360,3755) 6361,3756 8706,3756 8710,3760 v1(9570,3760) v1(10715,3760) 11530.76,3760 11532.04,3758.72 v1(12381.28,3758.72) ; v2(5650,4541.63) v2(7150,4541.63) ; v2(12145,2550) 12270,2550 v1(12385,2665)
  Bottom Layer w15: K33.2@493.94,3791.64 v2(630,3791.64) ; v2(1150,3791.64) K34.2@1243.94,3791.64 ; v2(1900,3791.64) K35.2@1993.94,3791.64 ; v2(2650,3791.64) K36.2@2743.94,3791.64 ; v2(3400,3791.64) K37.2@3493.94,3791.64 ; v2(5650,4541.63) K38.2@5743.95,4541.63 ; v1(6360,3755) 6360,3815 6400,3855 v2(6400,4541.63) K39.2@6493.95,4541.63 ; v2(7150,4541.63) K40.2@7243.95,4541.63 ; K41.2@9493.95,3791.64 9494.94,3791.64 9505.74,3780.83 9505.74,3779.85 9525.59,3760 v1(9570,3760) ; v1(10715,3760) 10715,3605 10640,3530 10640,3175 10773.36,3041.64 K42.2@10806.43,3041.64 ; U5.21@11949.13,2550 v2(12145,2550) ; v1(12381.28,3758.72) 12381.28,2668.72 v1(12385,2665)
GR5: K43.2 K44.2 K45.2 K46.2 K47.2 K48.2 K49.2 K50.2 K51.2 K52.2 U5.20 | length 14132.1
  Top Layer w15: v2(1520,3041.64) 3023.36,3041.64 v2(3025,3040) ; v1(3215,3520) 3555,3520 3580,3545 3655,3545 v1(3790,3410) ; v2(4145,3791.64) v2(4895,3791.64) 8643.36,3791.64 v2(8645,3790) ; v1(9050,3725) 9550,3725 v1(9570,3705) ; v1(9980.95,3200) 12295,3200 12420,3075 12420,2770 12250,2600 v2(12145,2600)
  Bottom Layer w15: v2(1520,3041.64) K43.2@1618.94,3041.64 ; v2(2275,3041.64) K44.2@2368.94,3041.64 ; K45.2@3118.94,3041.64 3026.64,3041.64 v2(3025,3040) 3025,3365 3180,3520 v1(3215,3520) ; v1(3790,3410) 4000,3410 4130,3280 4186.92,3280 4235,3328.08 4235,3525.31 4320,3610.31 4320,3715.52 4255.68,3779.85 4255.68,3780.83 4244.87,3791.64 K46.2@4243.88,3791.64 v2(4145,3791.64) ; v2(4895,3791.64) K47.2@4993.87,3791.64 ; v2(5645,3791.64) K48.2@5743.95,3791.64 ; v2(6395,3790) 6396.64,3791.64 K49.2@6493.95,3791.64 ; v2(7145,3791.64) K50.2@7243.95,3791.64 ; v2(7895,3791.64) K51.2@7993.95,3791.64 ; v2(8645,3790) 8646.64,3791.64 K52.2@8743.95,3791.64 8983.36,3791.64 v1(9050,3725) ; v1(9570,3705) 9570,3615 9974.95,3210.05 9974.95,3209.25 9980.95,3203.25 v1(9980.95,3200) ; U5.20@11949.13,2600 v2(12145,2600)
GR6: K53.2 K54.2 K55.2 K56.2 K57.2 K58.2 K59.2 K60.2 K61.2 K62.2 U5.19 | length 11371.1
  Top Layer w15: v2(3770,3041.64) v2(5275.13,3041.64) v2(7520,3041.64) v2(9025,3041.64) v2(9770,3041.64) 12270.35,3041.64 12356.99,2955 12356.99,2786.99 12220,2650 v2(12145,2650)
  Bottom Layer w15: v2(3770,3041.64) K53.2@3868.94,3041.64 ; v2(4525,3041.64) K54.2@4618.95,3041.64 ; v2(5275.13,3041.64) K55.2@5368.95,3041.64 ; v2(6025,3040) 6026.64,3041.64 K56.2@6118.95,3041.64 ; v2(6775,3040) 6776.64,3041.64 K57.2@6868.95,3041.64 ; v2(7520,3041.64) K58.2@7618.95,3041.64 ; v2(8275,3040) 8276.64,3041.64 K59.2@8368.95,3041.64 ; v2(9025,3041.64) K60.2@9118.95,3041.64 ; K62.2@9306.43,2291.64 9553.36,2291.64 9600,2245 9725,2245 9770,2290 v2(9770,3041.64) K61.2@9868.95,3041.64 ; U5.19@11949.13,2650 v2(12145,2650)
GR7: K63.2 K64.2 K65.2 K66.2 K67.2 K68.2 K69.2 K70.2 K71.2 K82.2 U5.17 | length 12235.5
  Top Layer w15: v2(1705,2290) v2(2455,2290) v2(3215,2290) v2(4710,2290) v2(6965,2290) v2(8465,2290) 8468.4,2290 8474.68,2283.72 8476.28,2283.72 8500,2260 11045,2260 v1(11075,2290) ; v1(11330,2945) 11950,2945 v2(12145,2750)
  Bottom Layer w15: v2(1705,2290) 1706.64,2291.64 K63.2@1806.44,2291.64 ; v2(2455,2290) 2456.64,2291.64 K64.2@2556.44,2291.64 ; v2(3215,2290) 3216.64,2291.64 K65.2@3306.44,2291.64 ; v2(3955,2291.64) K66.2@4056.44,2291.64 ; v2(4710,2290) 4711.64,2291.64 K67.2@4806.43,2291.64 ; v2(5455,2291.64) K68.2@5556.43,2291.64 ; v2(6205,2291.64) K69.2@6306.43,2291.64 ; v2(6965,2290) 6966.64,2291.64 K70.2@7056.43,2291.64 ; v2(7700,2291.64) K82.2@7806.43,2291.64 ; v2(8465,2290) 8466.64,2291.64 K71.2@8556.43,2291.64 ; v1(11075,2290) 11075,2600.85 11325,2850.85 11325,2931.51 11327.7,2934.22 11327.7,2942.7 v1(11330,2945) ; U5.17@11949.13,2750 v2(12145,2750)
GR8: K72.2 K73.2 K74.2 K75.2 K76.2 K77.2 K78.2 K79.2 K80.2 K81.2 U5.16 | length 13099.1
  Top Layer w15: v2(2075,1541.64) v2(5825.31,1541.64) v2(6585,1541.64) v2(7325,1541.64) 8828.36,1541.64 v2(8830,1540) 9921.75,1540 9926.75,1535 v1(9930,1535) ; v1(10105,2685) v1(10495,2685) ; v1(10500,3106.96) 10558.04,3165 12130,3165 v1(12160,3135)
  Bottom Layer w15: v2(2075,1541.64) K72.2@2181.44,1541.64 ; v2(2830,1540) 2831.64,1541.64 K73.2@2931.44,1541.64 ; v2(3585,1540) 3586.64,1541.64 K74.2@3681.44,1541.64 ; v2(4330,1540) 4331.64,1541.64 K75.2@4431.44,1541.64 ; v2(5085,1540) 5086.64,1541.64 K76.2@5181.43,1541.64 ; v2(5825.31,1541.64) K77.2@5931.43,1541.64 ; v2(6585,1541.64) K78.2@6681.43,1541.64 ; v2(7325,1541.64) K79.2@7431.43,1541.64 ; v2(8080,1540) 8081.64,1541.64 K80.2@8181.43,1541.64 ; v2(8830,1540) 8831.64,1541.64 K81.2@8931.43,1541.64 ; v1(9930,1535) 9930,2510 v1(10105,2685) ; v1(10495,2685) 10495,3098.71 10500,3103.71 v1(10500,3106.96) ; U5.16@11949.13,2800 12065,2800 12160,2895 v1(12160,3135)
HUB1D_N: U2.3 USB3.2 | length 8707.7
  Top Layer w15: v2(4565,5330) 4626.21,5330 4635,5321.21 4635,5298.43 4673.43,5260 6820.36,5260 7082.68,5522.32 11812.68,5522.32 12253.13,5081.87 12792.49,5081.87 12819.36,5055 USB3.2@12823.31,5055
  Bottom Layer w15: v2(4565,5330) 4566.49,5328.51 4643,5328.51 U2.3@4644.49,5327.03 4651.52,5320 U2.3@4661.52,5330
HUB1D_P: U2.4 USB3.3 | length 8668.9
  Top Layer w15: v2(4730,5330) 4668.79,5330 4660,5321.21 4660,5308.79 4683.79,5285 6810,5285 7072.32,5547.32 11823.03,5547.32 12263.49,5106.87 12792.49,5106.87 12819.36,5133.74 USB3.3@12823.31,5133.74
  Bottom Layer w15: U2.4@4644.49,5277.03 4676.51,5277.03 4729.48,5330 v2(4730,5330)